# Allegro board ZDRK-36-DE3-A02-20190729.brd (continued)
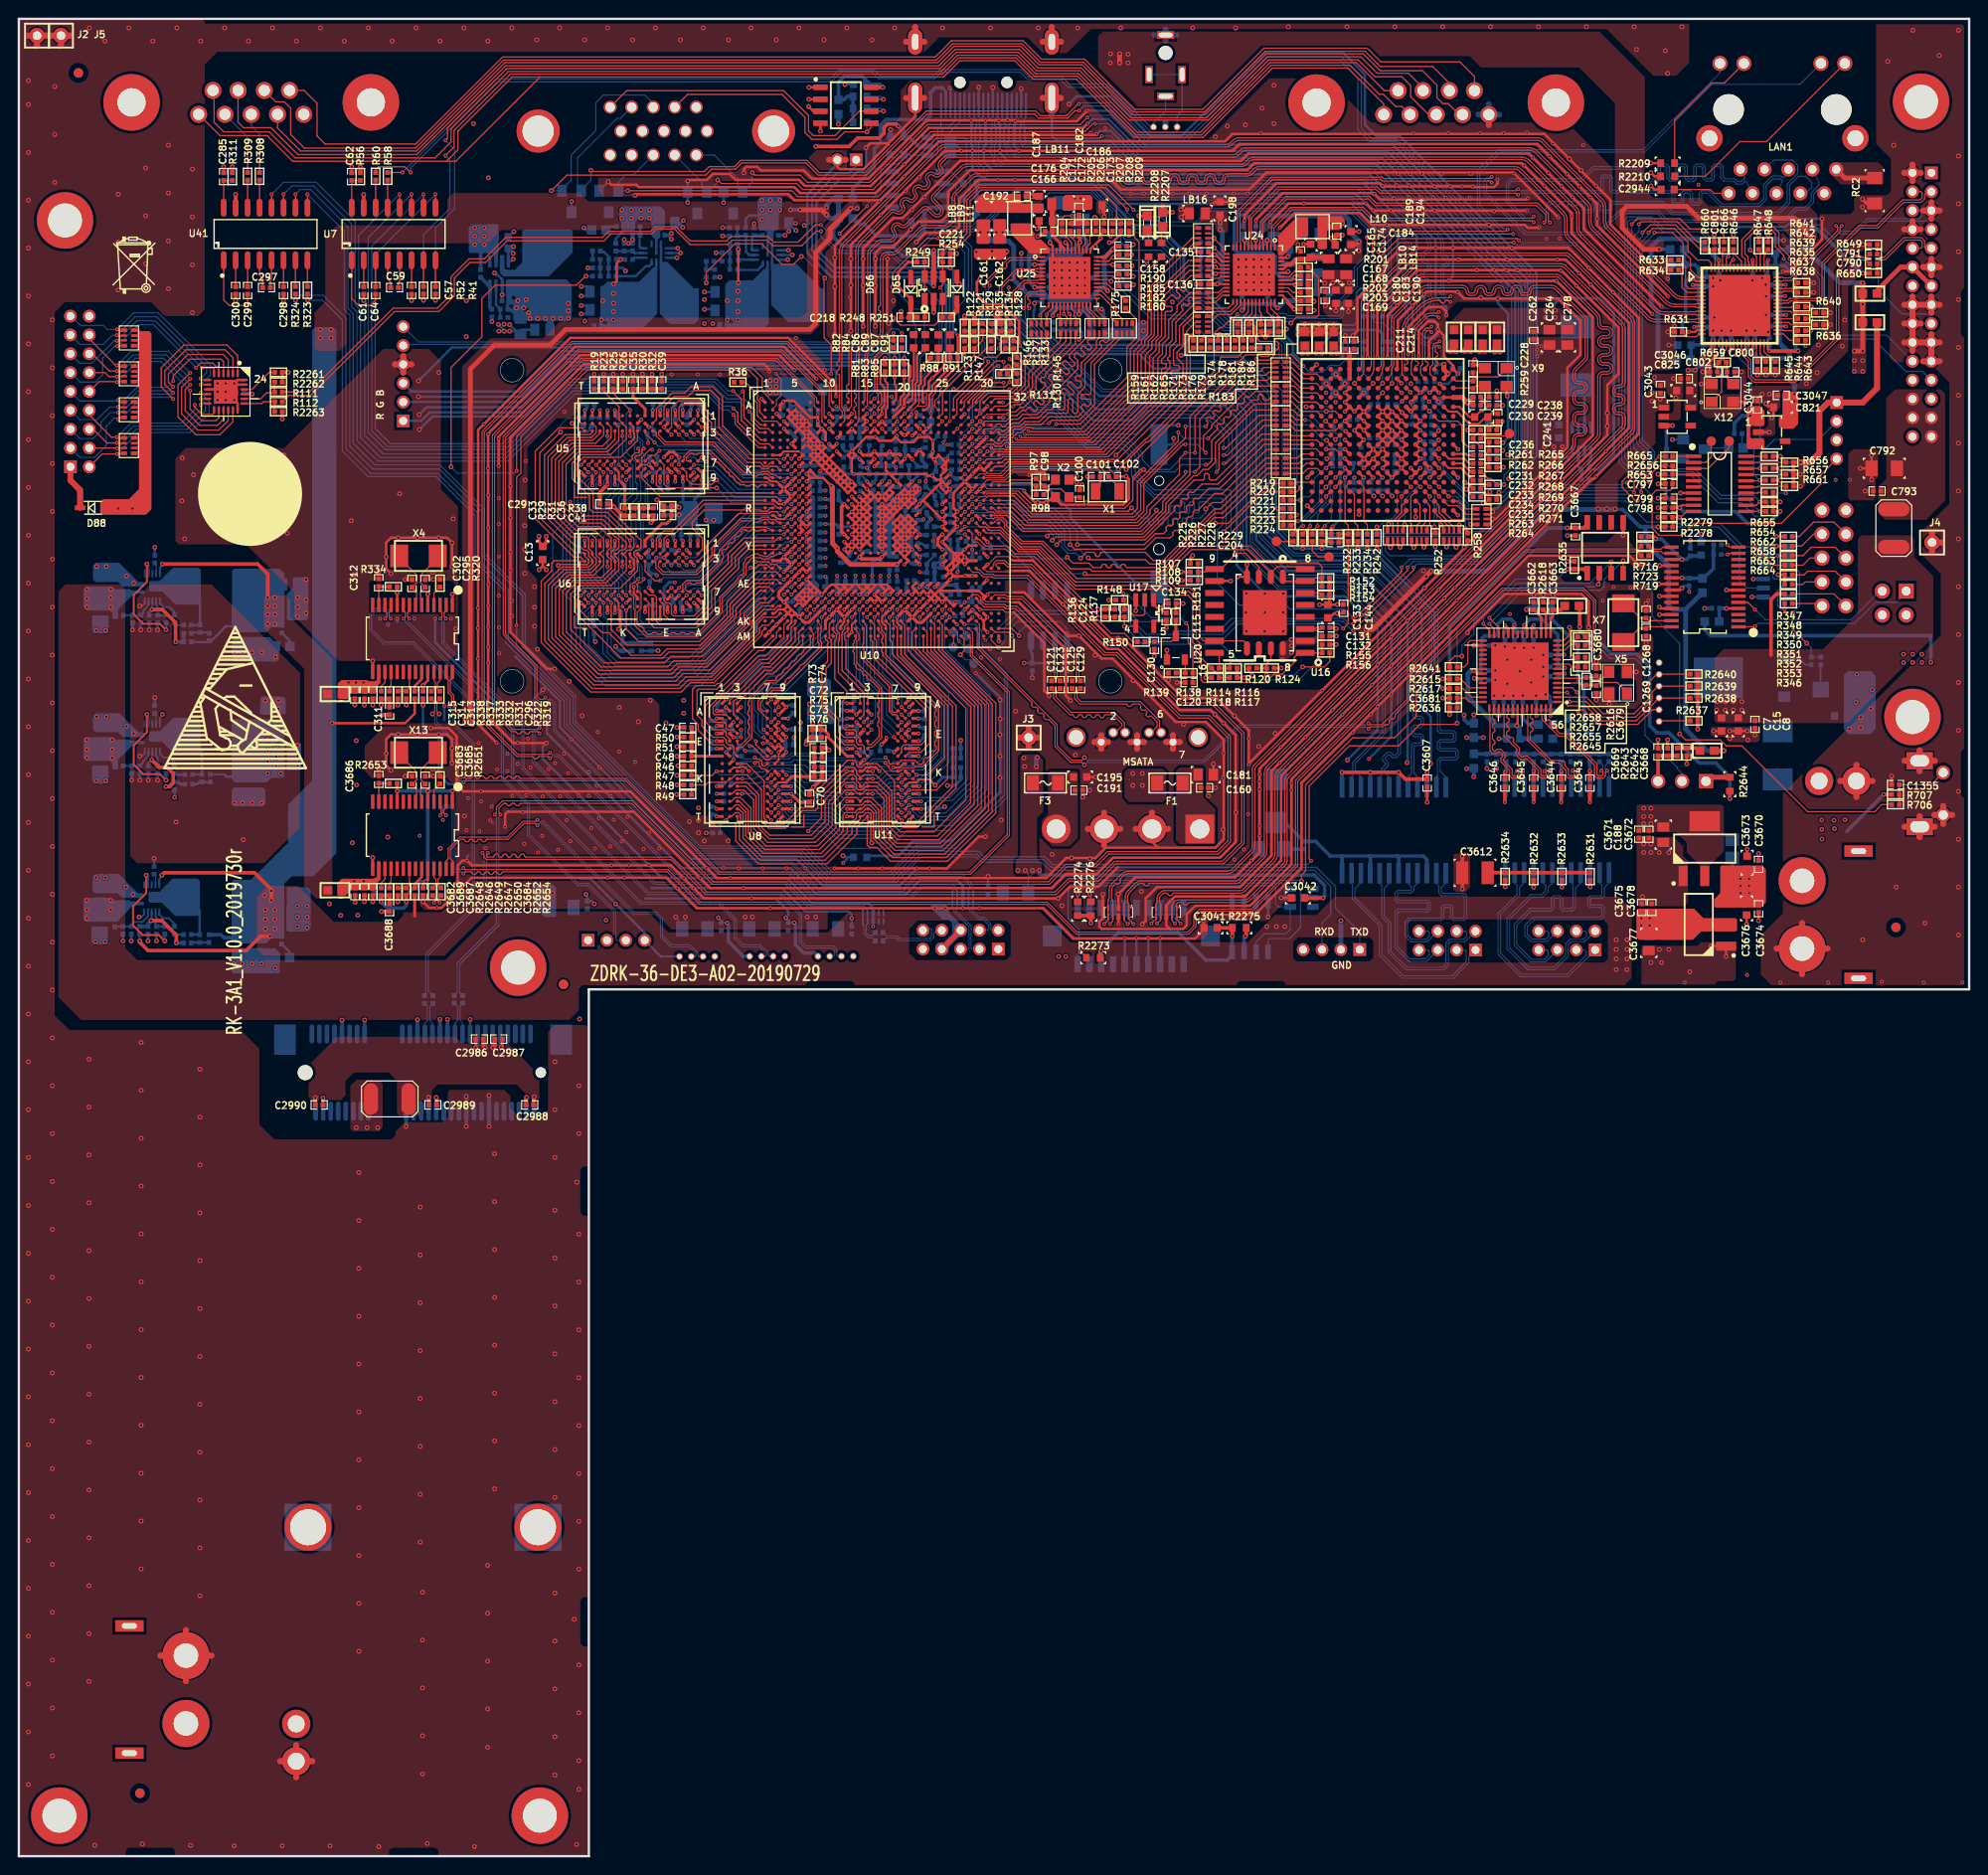
[diagram p0: board, top side]
## Routing (per net, layer and track width the routed paths; a pad name or vN(x,y) marks a point on that pad's centre or on a via; arc(x,y) is an arc through that point) (continued)
  BOTTOM w0.305: v2(61.19,128.91) 61.06,129.03 C503.2 ; v1(68.87,139.6) 68.46,139.19 C488.2 ; C501.2 R411.2 64.05,127.92 ; v1(68.87,153.44) 68.85,153.41 C487.2 ; C337.2 C336.2 145.26,144.86 v2(145.77,144.35) ; C337.2 C339.2 ; C337.2 144.37,144.73 v2(144.75,144.35) ; v1(75.86,118.75) v1(76.66,118.75) v1(76.66,119.55) ; v1(71.67,133.02) 72.06,132.63 C481.2 ; R385.2 C353.2 99.98,114.25 99.35,113.63 v2(98.56,113.63) ; v1(99.61,141.89) 99.3,141.58 C356.2 ; v1(70.06,147.68) 70.07,147.69 v1(70.07,148.46) ; v2(104.15,120.71) 104.15,119.04 v2(104.14,119.02) v2(104.14,116.76) v2(104.14,114.45) 104.14,112.93 98.96,107.75 94.95,107.75 93.37,106.17 90.15,106.17 C419.2 ; v3(84.81,152.98) 84.84,153.01 C442.2 ; v1(88.41,141.09) 87.03,141.09 C432.2 86.97,141.1 86.69,141.38 v1(85.62,141.38) C448.2 ; C339.2 143.48,144.68 v2(143.81,144.35) ; C339.2 C341.2 C344.2 141.17,144.98 140.75,145.4 v4(140.75,146.32) ; v1(79.86,117.95) 79.68,118.12 v1(78.97,118.12) ; C443.2 85.04,146.99 v1(85.06,147.02) ; v1(69.27,146.86) 69.26,146.87 C492.2 ; v1(82.81,147.49) 82.86,147.45 83.34,147.45 C457.2 C456.2 C436.2 85.27,147.22 v1(85.06,147.02) ; v1(82.01,149.89) 82.44,150.32 C459.2 81.81,151.17 C463.2 81.54,151.17 v1(81.21,151.49) ; C495.2 66.94,147.73 v1(66.87,147.66) ; C395.2 93.09,146.99 v1(93.09,147.4) 92.91,147.57 C399.2 ; C366.2 C367.2 95.68,136.22 v1(95.61,136.29) ; v3(84.81,152.3) 84.84,152.28 C441.2 ; v1(100.41,145.89) 100.1,146.2 C354.2 99.3,146.2 v1(98.81,146.69) 98.54,146.42 98.53,146.42 98.18,146.08 C358.2 ; v2(72.94,141.8) v2(73.76,141.8) ; v1(89.21,143.49) 89.54,143.81 C408.2 ; v1(69.63,135.18) 69.03,135.18 68.49,134.65 C490.2 ; C426.2 v1(87.73,135.89) ; v1(102.81,139.49) 103.15,139.16 R110.1 ; v1(85.62,144.93) R404.2 C444.2 ; C464.2 82.2,118.69 v1(82.26,118.75) ; C433.2 v1(86.84,135.89) ; C415.2 90.25,147.93 90.25,147.55 v1(90.02,147.32) ; C424.2 88.14,138.07 88.37,138.3 88.37,138.65 v1(88.41,138.69) ; C411.2 89.27,141.15 v1(89.21,141.09) ; C473.2 73.44,109.83 C474.2 73.87,110.55 v1(74.07,110.35) ; C489.2 68.08,145.87 v1(68.07,145.88) ; R412.1 63.6,153.12 v1(63.27,153.45) ; v1(90.02,147.32) 90.02,147.37 89.48,147.37 C418.2 ; v1(90.02,147.32) 90.25,147.09 90.25,146.71 C406.2 ; C438.2 85.55,134.72 85.76,134.94 85.76,135.65 v1(85.62,135.79) C454.2 ; C475.2 73.82,119.7 v1(74.08,119.95) 74.36,120.23 74.71,120.23 C470.2 ; v1(91.58,118) 91.42,117.84 C400.2 ; C460.2 v2(82.96,120.31) ; C477.2 73.25,146.04 v1(73.32,146.11) ; v1(74.07,111.95) 74.07,111.95 C471.2 ; R395.2 93.24,135.84 v1(93.19,135.89) ; v1(89.21,139.49) 89.34,139.37 C413.2 ; R406.1 74.4,113.88 v1(74.07,113.55) ; C398.2 92.35,149.03 v1(92.41,149.09) ; R400.1 88.57,113.55 v1(87.91,113.55) ; C401.2 v1(91.47,135.89) ; C385.2 C386.2 94.49,146.22 v1(94.81,145.89) 95.38,146.46 C378.2 95.38,146.69 96.27,146.69 C372.2 v1(96.27,145.92) 96.24,145.9 C373.2 96.34,145.31 97.21,144.45 C363.2 97.21,143.94 97.38,143.76 C364.2 ; C391.2 91.63,152.27 v1(91.61,152.29) ; C428.2 86.91,146.37 86.56,146.71 85.37,146.71 v1(85.06,147.02) ; v1(95.48,118.35) 95.66,118.35 96.14,118.83 C376.2 ; C480.2 71.26,139.61 v1(71.27,139.6) ; C472.2 74.08,122.17 v1(74.08,121.55) ; C446.2 v1(85.62,143.15) ; R398.1 89.88,152.43 v1(90.01,152.29) ; C469.2 74.59,119.15 v1(74.08,119.15) ; C417.2 v1(89.69,135.89) ; v1(70.07,137.82) v1(69.27,137.02) v1(68.47,137.82) v1(67.67,137.82) 67.67,137.67 67.07,137.06 C500.2 66.84,136.23 C499.2 67.56,136.1 v1(67.72,135.94) ; v1(69.67,153.44) 69.61,153.5 C484.2 ; C410.2 89.87,142.04 v1(89.21,142.69) 89.45,142.93 C409.2 ; C382.2 94.21,134.49 94.21,135.32 94.24,135.35 C381.2 ; v1(89.21,149.09) 89.26,149.13 R399.1 ; v1(98.81,136.29) 98.28,135.76 C359.2 ; C458.2 82.81,132.29 v1(82.81,131.49) ; v1(69.27,150.86) v1(68.47,151.66) ; R413.1 63.27,138.88 v1(63.27,139.6) ; C394.2 91.7,144.21 v1(91.62,144.29) 91.64,144.32 C397.2 ; v1(88.65,123.27) 88.65,122.67 C422.2 ; v1(88.41,151.49) 88.37,151.45 C423.2 ; C450.2 v1(85.62,139.6) ; C390.2 92.41,135.94 v1(92.35,135.89) C396.2 ; v1(89.7,116.35) 89.85,116.35 90.45,116.95 C416.2 ; C420.2 89.13,118.81 89.7,119.37 v1(89.7,119.55) ; C462.2 81.66,122.13 v1(81.46,121.94) ; C380.2 95,138.51 v1(94.81,138.69) ; v4(152.75,157.32) 152.96,157.52 C222.2 ; C421.2 v1(88.8,135.89) ; v2(98.27,111.38) 98.15,111.25 C365.2 ; C483.2 71.31,145.7 v1(71.67,146.06) ; C384.2 v1(95.61,149.22) ; C449.2 v1(85.62,140.49) ; v1(60.07,153.45) 60.27,153.65 C504.2 59.55,154.08 ; C430.2 87.79,119.82 v1(87.92,119.95) ; C452.2 v1(85.62,137.82) ; C496.2 67.35,131.36 v1(67.27,131.28) v1(68.07,131.28) ; C434.2 85.7,143.97 v1(85.62,144.04) C445.2 ; C429.2 87.87,121.6 v1(87.92,121.55) ; C482.2 70.9,153.07 v1(71.27,153.44) 71.39,153.55 C479.2 ; v1(81.21,133.09) 81.22,133.09 82.01,133.09 C461.2 ; C414.2 89.42,138.48 v1(89.21,138.69) ; C493.2 67.32,153.49 v1(67.27,153.44) ; C431.2 87.91,117.54 v1(87.92,117.55) ; v1(74.08,117.55) 74.07,117.54 C476.2 ; R383.2 99.67,139.06 99.69,139.04 C355.2 100.4,138.68 v1(100.41,138.69) ; C407.2 v1(90.58,135.89) 90.58,137.13 C405.2 ; v1(99.61,142.69) 99.8,142.88 C351.2 ; v1(86.81,149.09) 87.44,148.46 ; v1(86.01,149.89) 86,149.88 C435.2 ; R394.2 94.72,153 v1(94.74,153.02) ; C447.2 v1(85.62,142.27) ; C453.2 v1(85.62,136.93) ; C467.2 v1(77.09,117.31) 76.71,117.69 C468.2 76.48,117.53 75.86,116.9 v1(75.86,116.35) ; C451.2 v1(85.62,138.71) ; v1(95.48,117.55) 95.44,117.59 C383.2 ; C494.2 67.19,139.67 v1(67.27,139.6) ; v1(69.27,133.82) 69.42,133.67 C486.2 ; C427.2 v1(86.87,150.52) ; v1(102.75,135.43) 102.34,135.02 ; v1(95.48,121.55) 95.5,121.53 C375.2 ; v1(89.21,140.29) 89.25,140.26 C412.2 ; C502.2 v1(61.67,153.45) ; v1(69.67,139.6) 69.48,139.79 C485.2
  BOTTOM w0.381: U13.50 v2(53.9,80.55) ; C377.2 95.92,141.78 v1(96.03,141.89) ; v2(32.28,80.47) 32.3,80.45 U13.4 ; C332.2 146.31,149.76 v4(146.75,149.32) ; C2907.2 v2(178.56,140.31) ; C2880.1 v2(178.94,132.44) ; v2(138.84,148.31) 138.94,148.41 C347.2 ; v4(146.75,147.32) 146.38,146.94 C335.2 ; R390.1 100.2,132.08 v1(100.43,132.31) ; JU4.4 76.89,95.5 75.31,97.08 75.31,98.91 v2(75.18,99.03) ; 96.77,154.58 C368.2 96.77,153.16 v3(96.82,153.11) ; C466.2 80.92,153.09 v1(80.41,153.09) ; C348.2 C347.2 ; C347.2 C346.2 ; 64.05,127.92 63.74,127.92 63.35,128.31 v2(63.35,128.4) ; v2(47.5,80.62) 47.5,80.62 U13.34 v2(47.5,77.45) ; R391.2 v1(99.39,133.1) C350.2 ; C439.2 85.42,151.28 v1(85.21,151.49) ; C137.2 v2(114.94,164.19) 115.13,164 C199.2 ; C2906.2 v2(177.42,139.64) ; v4(145.75,151.32) 146.08,151 C331.2 146.42,150.65 v4(146.75,150.32) ; v2(82.3,99.06) 82.42,98.93 82.42,96.75 83.31,95.86 84.46,95.86 JU3.4 ; U13.43 51.1,85.91 ; C371.2 96.37,142.36 v1(96.83,141.89) 96.37,141.43 C369.2 ; v2(109.45,171.25) 109.44,171.26 C196.2 108.36,172.11 v2(108.15,171.91) ; U13.37 48.7,86.04 v2(48.49,85.83) ; C157.2 134.87,169.95 v2(134.7,169.77) ; U13.15 v2(36.7,88.75) ; 87.44,148.46 C425.2 ; U13.29 v2(45.5,88.81) ; v2(49.9,77.46) U13.40 v2(49.9,80.74) 49.91,80.75 ; C465.2 v1(81.13,154.33) ; C809.2 v2(187.33,171.49) ; U13.18 v2(41.1,77.44) ; U13.21 v2(42.3,88.78) ; 96.19,154.76 95.96,154.53 C388.2 94.34,154.53 93.96,154.15 v1(93.96,153.89) ; C387.2 94.08,142.24 ; U13.9 v2(34.3,88.74) ; U13.26 v2(44.3,80.51) ; U13.27 v2(44.7,88.82) ; 146.27,147.83 v4(146.75,148.32) 146.35,148.72 C333.2 C334.2 146.27,147.83
  BOTTOM w0.508: v2(113.16,167.5) 114.03,167.5 C140.2 ; JU5.2 v2(140.32,99.29)
  BOTTOM w0.635: 3.44,193.22 J5.1 ; J5.1 5.5,193.22 ; J5.1 4.47,192.19 ; 117.97,118.25 CON1.4 ; CON1.4 118.69,117.52 ; CON1.4 119.42,118.25 ; J123.2 121.69,184.07 ; J49.22 96.1,192.56 ; J49.22 94.17,192.56 ; J49.22 95.14,194.12 ; SW1.4 201.75,117.36 ; SW1.4 203.36,116.26 ; SW1.4 201.75,115.15 ; SW1.4 200.15,116.26 ; SW1.3 203.36,109.26 ; SW1.3 200.15,109.26 ; SW1.3 201.75,108.15 ; SW1.3 201.75,110.36 ; 121.78,118.25 CON1.7 ; CON1.7 123.23,118.25 ; CON1.7 122.5,117.52 ; 109.64,184.75 J49.21 ; J49.21 108.67,186.6 ; J49.21 110.6,186.6 ; 156.02,183.73 J22.5 ; J22.5 156.02,185.94 ; J22.5 157.13,184.84 ; J22.5 154.92,184.84 ; J134.2 191.98,96.32 ; J134.2 186.57,96.32 ; J134.2 189.28,99.02 ; J134.2 189.28,93.62 ; J136.4 40.8,159.21 ; J136.4 41.68,158.33 ; J136.4 39.92,158.33 ; J136.4 40.8,157.45 ; J94.2 29.44,11.79 ; J94.2 27.73,10.08 ; J94.2 29.44,8.38 ; J94.2 31.14,10.08 ; J111.6 122.82,193.28 ; J111.6 120.61,193.28 ; J111.6 121.72,192.68 ; J111.6 121.72,193.89 ; 114.88,117.52 CON1.1 ; CON1.1 114.16,118.25 ; CON1.1 115.61,118.25 ; 203.3,110.51 SW1.1 ; SW1.1 205.21,110.51 ; SW1.1 204.25,111.46 ; SW1.1 204.25,109.55 ; J49.23 109.64,194.12 ; J49.23 110.6,192.56 ; J49.23 108.67,192.56 ; J2.1 2.96,193.22 ; J2.1 1.93,192.19 ; J2.1 0.9,193.22 ; 17.73,18.58 J126.2 ; J126.2 17.73,23.99 ; J126.2 15.03,21.28 ; J126.2 20.44,21.28
  vias: v1(38.34,131.34) v1(39.19,130.71) v1(41.97,131.34) v1(42.55,108.31) v1(45.01,109.98) v1(45.87,131.34) v1(46.61,121.49) v1(46.71,101.09) v1(47.5,108.89) v1(47.68,112.29) v1(48.72,135.51) v1(48.72,132.46) v1(48.72,130.33) v1(48.72,127.08) v1(48.79,118.14) v1(48.79,115.29) v1(48.79,102.31) v1(48.9,108.76) v1(49.05,111.94) v1(49.35,151.99) v1(49.5,106.98) v1(49.83,144.45) v1(49.83,141) v1(49.86,135) v1(49.83,132.69) v1(49.83,130.48) v1(49.83,128.32) v1(49.83,126.64) v1(50.19,111.4) v1(50.75,115.34) v1(50.95,144.12) v1(50.95,141.38) v1(50.95,137.92) v1(50.95,133.78) v1(50.98,130.4) v1(50.98,127.66) v1(51.56,121.44) v1(51.87,116.99) v1(51.87,115.16) v1(52.35,133.22) v1(52.35,131.62) v1(52.37,112.55) v1(52.4,122.38) v1(52.96,118.16) v1(52.96,115.93) v1(53.49,110.79) v1(53.64,107.44) v1(53.82,148.06) v1(53.85,112.6) v1(54.05,118.62) v1(54.31,115.54) v1(55.12,106.53) v1(55.55,108.28) v1(55.6,112.47) v1(55.85,121.62) v1(56.24,115.37) v1(56.92,116) v1(57.23,106.81) v1(57.45,112.5) v1(57.86,117.02) v1(57.91,153.29) v1(58.14,109.96) v1(58.29,114.94) v1(58.55,107.72) v1(58.65,118.52) v1(59.44,112.57) v1(60.48,115.06) v1(60.5,112.55) v1(60.76,109.12) v1(61.16,106.93) v1(61.34,113.59) v1(61.44,119.3) v1(61.57,110.16) v1(61.62,115.54) v1(62.48,103.86) v1(62.76,107.16) v1(62.84,112.52) v1(63.14,110.01) v1(63.73,117.25) v1(63.98,107.7) v1(64.26,103.86) v1(64.49,108.66) v1(64.59,110.29) v1(65.41,116.13) v1(66.32,106.88) v1(66.88,108.61) v1(67.97,106.93) v1(69.29,157.25) v1(69.88,102.72) v1(71.63,102.72) v1(72.06,157.25) v1(74.42,157.25) v1(76.4,157.25) v1(76.43,104.83) v1(78.97,104.83) v1(81.51,104.83) v1(82.47,161.11) v1(85.55,157.73) v1(86.41,156.67) v1(88.24,165.48) v1(94.13,176.71) v1(94.79,174.73) v1(95.58,178.18) v1(95.61,145.9) v1(96.09,176.07) v1(102.13,127.2) v1(103.1,128.12) v1(104.14,127.05) v1(113.77,182.88) v1(115.32,183.39) v1(127.86,117.07) v1(127.84,114.43) v1(129.01,105.77) v1(130.05,106.83) v1(130.48,113.36) v1(130.48,110.59) v1(130.81,105.66) v1(131.83,182.85) v1(133.96,117.7) v1(136.55,118.75) v1(138.33,123.7) v1(141.02,126.36) v1(141.58,119.23) v1(142.82,128.17) v1(143.51,121.16) v1(146,175.95) v1(146.25,177.34) v1(147.57,177.32) v1(147.57,176.05) v1(148.06,182.83) v1(148.84,176.05) v1(148.92,178.54) v1(149,174.62) v1(151,178.54) v1(151.74,182.85) v1(154,176.02) v1(154.13,178.54) v1(155.09,182.85) v1(156.57,174.57) v1(157.61,182.85) v1(158.27,131.83) v1(160.07,182.91) v1(161.59,160.25) v1(161.59,159.59) v1(162.13,171.65) v1(162.48,180.42) v1(162.84,181.76) v1(163.55,171.68) v1(165.33,166.65) v1(165.61,168) v1(166.04,181.61) v1(167.41,177.27) v1(168.12,133.25) v1(169.29,134.7) v1(171.07,134.62) v1(172.09,177.27) v1(172.75,134.65) v1(172.95,133.27) v1(176.81,92.71) v1(178.28,177.39) v1(183.44,93.52) v1(186.97,92.71) v1(192.05,92.71) v1(192.84,146.08) v1(194.34,146.08) v1(197.74,92.81) v1(202.21,92.71) v1(206.3,92.71) v2(1.02,188.44) v2(1.02,185.9) v2(1.02,180.82) v2(1.02,175.74) v2(1.02,170.66) v2(1.02,165.58) v2(1.02,160.5) v2(1.02,155.42) v2(1.02,150.34) v2(1.02,145.26) v2(1.02,140.18) v2(1.02,135.1) v2(1.02,130.02) v2(1.02,124.94) v2(1.02,119.86) v2(1.02,114.78) v2(1.02,109.7) v2(1.02,104.62) v2(1.02,99.54) v2(1.02,94.46) v2(1.02,89.38) v2(1.02,84.3) v2(1.02,79.22) v2(1.02,74.14) v2(1.02,69.06) v2(1.02,63.98) v2(1.02,58.9) v2(1.02,53.82) v2(1.02,48.74) v2(1.02,43.66) v2(1.02,38.58) v2(1.02,33.5) v2(1.02,28.42) v2(1.02,23.34) v2(1.02,18.26) v2(1.02,13.18) v2(1.02,7.59) v2(3.56,163.04) v2(3.56,157.96) v2(3.56,152.88) v2(3.56,147.8) v2(3.56,142.72) v2(3.56,137.64) v2(3.56,132.56) v2(3.56,127.48) v2(3.56,122.4) v2(3.56,117.32) v2(3.56,112.24) v2(3.56,107.16) v2(3.56,102.08) v2(3.56,97) v2(3.56,91.92) v2(3.56,86.84) v2(3.56,81.76) v2(3.56,76.68) v2(3.56,71.6) v2(3.56,66.52) v2(3.56,61.44) v2(3.56,56.36) v2(3.56,51.28) v2(3.56,46.2) v2(3.56,41.12) v2(3.56,36.04) v2(3.56,30.96) v2(3.56,25.88) v2(3.56,20.8) v2(3.56,15.72) v2(3.56,10.64) v2(3.81,187.81) v2(3.81,182.73) v2(3.81,177.65) v2(7.44,84.58) v2(7.44,79.5) v2(7.44,74.42) v2(7.44,69.34) v2(7.44,64.26) v2(7.44,59.18) v2(7.44,54.1) v2(7.44,49.02) v2(7.44,43.94) v2(7.44,38.86) v2(7.44,33.78) v2(7.44,28.7) v2(7.44,23.62) v2(7.44,18.54) v2(7.49,194.03) v2(8.08,1.14) v2(9.14,192.63) v2(10.54,176.38) v2(10.54,171.3) v2(10.54,166.22) v2(11.68,194.03) v2(12.98,86.36) v2(12.98,81.28) v2(12.98,76.2) v2(12.98,71.12) v2(12.98,66.04) v2(12.98,60.96) v2(12.98,55.88) v2(12.98,50.8) v2(12.98,45.72) v2(12.98,40.64) v2(12.98,35.56) v2(12.98,30.48) v2(13.11,1.3) v2(13.46,179.17) v2(13.46,174.09) v2(13.46,169.01) v2(14.22,192.63) v2(15.88,181.58) v2(15.88,176.5) v2(15.88,171.42) v2(15.88,166.34) v2(16.76,194.03) v2(16.69,109.75) v2(17.35,148.39) v2(17.3,143.84) v2(17.6,139.8) v2(18.24,1.14) v2(18.42,179.04) v2(18.42,173.96) v2(18.42,168.88) v2(18.42,163.8) v2(18.54,146.61) v2(19.23,83.52) v2(19.23,78.44) v2(19.23,73.36) v2(19.23,68.28) v2(19.23,63.2) v2(19.23,58.12) v2(19.23,53.04) v2(19.23,47.96) v2(19.23,42.88) v2(19.23,37.8) v2(19.23,32.72) v2(19.23,27.64) v2(19.3,192.63) v2(21.08,156.31) v2(21.08,154.53) v2(21.84,194.03) v2(21.97,156.31) v2(21.97,155.42) v2(21.97,154.53) v2(22.05,143.81) v2(22.86,127.74) v2(22.86,111.79) v2(22.83,94.72) v2(22.86,1.09) v2(23.75,127.74) v2(23.75,111.79) v2(23.71,94.72) v2(23.83,139.8) v2(23.83,107.87) v2(24.38,192.63) v2(24.77,127.74) v2(24.77,111.79) v2(24.73,94.72) v2(25.07,147.93) v2(25.75,94.72) v2(25.78,127.74) v2(25.78,111.79) v2(26.16,122.66) v2(26.92,194.03) v2(27.56,122.66) v2(27.56,121.77) v2(27.94,1.09) v2(28.17,148.69) v2(28.5,140.41) v2(29.46,192.63) v2(29.56,100.81) v2(29.56,99.67) v2(29.56,98.65) v2(29.59,133.58) v2(29.59,132.56) v2(29.59,131.55) v2(29.59,117.88) v2(29.59,116.74) v2(29.59,115.72) v2(30.48,135.48) v2(30.48,133.32) v2(30.48,131.93) v2(30.61,100.81) v2(30.61,99.67) v2(30.61,98.53) v2(32,194.03) v2(32.97,101.07) v2(33.02,1.09) v2(34.16,99.85) v2(34.54,192.63) v2(35.28,141.73) v2(35.41,107.54) v2(35.56,136.02) v2(35.81,118.39) v2(35.84,113.69) v2(35.97,99.87) v2(36.09,72.54) v2(36.09,67.46) v2(36.09,62.38) v2(36.09,57.3) v2(36.09,52.22) v2(36.09,47.14) v2(36.09,42.06) v2(36.09,36.98) v2(36.09,31.9) v2(36.09,26.82) v2(36.09,21.74) v2(37.08,194.03) v2(38.2,136.32) v2(38.2,115.44) v2(38.2,1.02) v2(39.17,108.15) v2(39.62,192.63) v2(40.41,144.6) v2(41,135.48) v2(41,114.6) v2(42.16,194.03) v2(42.6,68.88) v2(42.6,63.8) v2(42.6,58.72) v2(42.6,53.64) v2(42.6,48.56) v2(42.6,43.48) v2(42.6,38.4) v2(42.6,33.32) v2(42.85,28.02) v2(42.85,22.94) v2(42.85,17.86) v2(42.85,12.78) v2(42.85,8.71) v2(43.36,1.35) v2(43.94,136.25) v2(43.97,135.51) v2(43.94,115.37) v2(43.97,114.63) v2(44.58,157.45) v2(44.7,192.63) v2(44.73,106.96) v2(46.1,141.94) v2(46.3,135.64) v2(46.38,130.28) v2(47.24,194.03) v2(47.29,110.39) v2(47.5,165.07) v2(47.5,161.26) v2(48.26,183.87) v2(48.36,1.02) v2(49.76,30.86) v2(49.76,25.78) v2(49.76,20.7) v2(49.76,15.62) v2(49.76,11.56) v2(49.78,192.63) v2(49.83,178.13) v2(50.21,162.87) v2(50.5,74.55) v2(50.5,69.47) v2(50.5,64.39) v2(50.5,59.31) v2(50.5,54.23) v2(50.5,49.15) v2(50.5,44.07) v2(50.5,38.99) v2(51.51,162.59) v2(52.32,194.03) v2(53.75,146.05) v2(53.7,143.76) v2(53.7,141.22) v2(53.7,138.68) v2(53.7,136.14) v2(54.56,120.5) v2(54.74,134.72) v2(54.74,132.56) v2(54.74,130.53) v2(54.99,192.76) v2(55.04,128.09) v2(56.9,84.3) v2(56.9,79.22) v2(56.9,74.14) v2(56.9,68.55) v2(56.9,63.47) v2(56.9,58.39) v2(56.9,53.31) v2(56.9,48.23) v2(56.9,43.15) v2(56.9,38.07) v2(56.9,27.91) v2(56.9,22.83) v2(56.9,17.75) v2(56.9,12.67) v2(56.9,8.61) v2(57.4,194.03) v2(58.42,124.69) v2(58.95,25.15) v2(59.23,71.53) v2(59.21,1.24) v2(59.31,153.85) v2(59.44,81.76) v2(59.44,76.68) v2(59.44,66.01) v2(59.44,60.93) v2(59.44,55.85) v2(59.44,50.77) v2(59.44,45.69) v2(59.44,40.61) v2(59.44,35.53) v2(59.44,30.45) v2(59.44,20.29) v2(59.44,15.21) v2(59.44,10.13) v2(59.44,7.09) v2(59.51,88.85) v2(59.79,121.03) v2(60.07,192.76) v2(60.07,162.92) v2(62.33,99.34) v2(62.48,194.03) v2(63.73,121.92) v2(65.15,192.76) v2(65.76,120.4) v2(67.03,122.68) v2(67.56,194.03) v2(68.68,120.27) v2(70.23,192.76) v2(70.57,122.67) v2(70.57,121.3) v2(71.17,109.8) v2(72.14,111.25) v2(72.14,109.93) v2(72.14,108.61) v2(72.64,194.03) v2(72.77,165.2) v2(72.77,162.66) v2(72.75,107.75) v2(73.66,162.66) v2(75.31,192.76) v2(75.29,107.75) v2(77.72,194.03) v2(80.39,192.76) v2(82.8,194.03) v2(83.36,173.08) v2(84.05,124.71) v2(84.05,123.82) v2(85.47,192.76) v2(87.88,194.03) v2(90.55,192.76) v2(92.84,165.07) v2(92.96,194.03) v2(98.04,194.03) v2(101.63,170.26) v2(103.12,194.03) v2(103.3,170.36) v2(103.3,169.67) v2(104.27,109.96) v2(104.88,170.31) v2(105.79,121.51) v2(107.49,176.12) v2(108.2,194.03) v2(109.68,106.32) v2(109.9,169.13) v2(109.9,168.31) v2(109.9,165.88) v2(110.72,169.13) v2(110.72,168.31) v2(110.72,167.5) v2(110.72,166.69) v2(110.72,165.88) v2(110.72,100.86) v2(111.53,169.13) v2(111.53,168.31) v2(111.53,167.5) v2(111.53,166.69) v2(111.53,165.88) v2(112.14,116.87) v2(112.34,169.13) v2(112.34,168.31) v2(112.34,167.5) v2(112.34,166.69) v2(112.34,165.88) v2(112.4,194.03) v2(112.93,112.39) v2(113.16,169.13) v2(113.16,168.31) v2(113.16,166.69) v2(113.16,165.88) v2(113.66,113.13) v2(113.66,105.84) v2(114.22,127.46) v2(116.66,129.26) v2(116.97,194.03) v2(118.26,124.76) v2(119.15,102.39) v2(121.03,166.85) v2(122.02,124.82) v2(122.43,164.95) v2(123.62,120.12) v2(124.59,194.03) v2(126.26,112.52) v2(127,182.47) v2(127,113.39) v2(127.81,108.94) v2(128.27,183.62) v2(129.16,194.03) v2(129.21,114.53) v2(129.18,110.77) v2(129.45,169.47) v2(129.45,168.66) v2(129.45,167.84) v2(129.45,167.03) v2(130.18,183.74) v2(130.26,169.47) v2(130.26,168.66) v2(130.26,167.84) v2(130.26,167.03) v2(130.26,166.22) v2(130.28,134.04) v2(130.23,131.98) v2(130.3,130) v2(131.08,169.47) v2(131.08,168.66) v2(131.08,167.84) v2(131.08,167.03) v2(131.08,166.22) v2(131.6,117.78) v2(131.95,185.52) v2(131.89,169.47) v2(131.89,168.66) v2(131.89,167.84) v2(131.89,167.03) v2(131.89,166.22) v2(132.26,131.98) v2(132.23,130) v2(132.7,169.47) v2(132.7,168.66) v2(132.7,167.84) v2(132.7,167.03) v2(133.22,187.93) v2(133.22,183.87) v2(133.35,119.18) v2(134.19,132) v2(134.21,130) v2(134.75,194.16) v2(140.97,194.16) v2(146.05,194.16) v2(147.75,156.29) v2(151.13,194.16) v2(155.17,165.4) v2(156.21,194.16) v2(157.99,126.97) v2(157.99,124.43) v2(159.33,125.76) v2(160.53,126.97) v2(160.53,124.56) v2(160.78,133.83) v2(161.29,194.16) v2(161.8,133.83) v2(161.93,149.58) v2(162.81,133.83) v2(162.94,149.58) v2(163.83,149.58) v2(165.81,178.92) v2(166.37,194.16) v2(167,128.12) v2(171.45,194.16) v2(171.7,191.74) v2(172.34,101.83) v2(172.47,107.42) v2(172.47,106.53) v2(172.72,132.94) v2(172.72,128.75) v2(173.23,107.42) v2(173.23,106.53) v2(173.23,94.84) v2(173.61,156.95) v2(174.12,106.53) v2(174.12,96.24) v2(174.37,94.84) v2(174.75,191.62) v2(175.01,189.2) v2(175.13,106.53) v2(175.13,96.24) v2(175.64,156.82) v2(175.9,154.79) v2(176.53,194.16) v2(177.37,93.85) v2(181.61,118.59) v2(183.52,118.47) v2(185.8,155.17) v2(189.51,158.88) v2(189.74,156.29) v2(190.88,157.45) v2(191.01,160.38) v2(193.55,160.25) v2(193.8,163.04) v2(194.56,168) v2(195,122.45) v2(195.5,119.79) v2(195.68,175.01) v2(195.71,97.26) v2(195.96,144.88) v2(196.57,121.79) v2(198.37,190.47) v2(199.01,181.58) v2(199.26,102.84) v2(201.04,193.78) v2(202.31,99.03) v2(203.84,191.11) v2(205.87,193.78) v2(205.87,180.44) v2(205.87,175.36) v2(205.87,170.28) v2(205.87,165.2) v2(205.87,160.12) v2(205.87,155.04) v2(205.87,149.96) v2(205.87,144.88) v2(205.87,139.8) v2(205.87,134.72) v2(205.87,129.64) v2(205.87,124.56) v2(205.87,119.48) v2(205.87,113) v2(205.87,107.92) v2(205.87,102.84) v2(205.87,97.76) v4(138.75,155.32) v4(138.75,154.32) v4(139.75,154.32) v4(175.01,167.41)
